# Altium PCB PCB-MB202-00.PcbDoc (part 4 of 7)
Units mm, origin at the board's own origin, x right, y up, seen from the top; angles counter-clockwise.
Board outline 300.6 x 146 mm, 2 copper layers (Top Layer, Bottom Layer); 493 components, 371 nets, 1609 pads, 6249 vias.
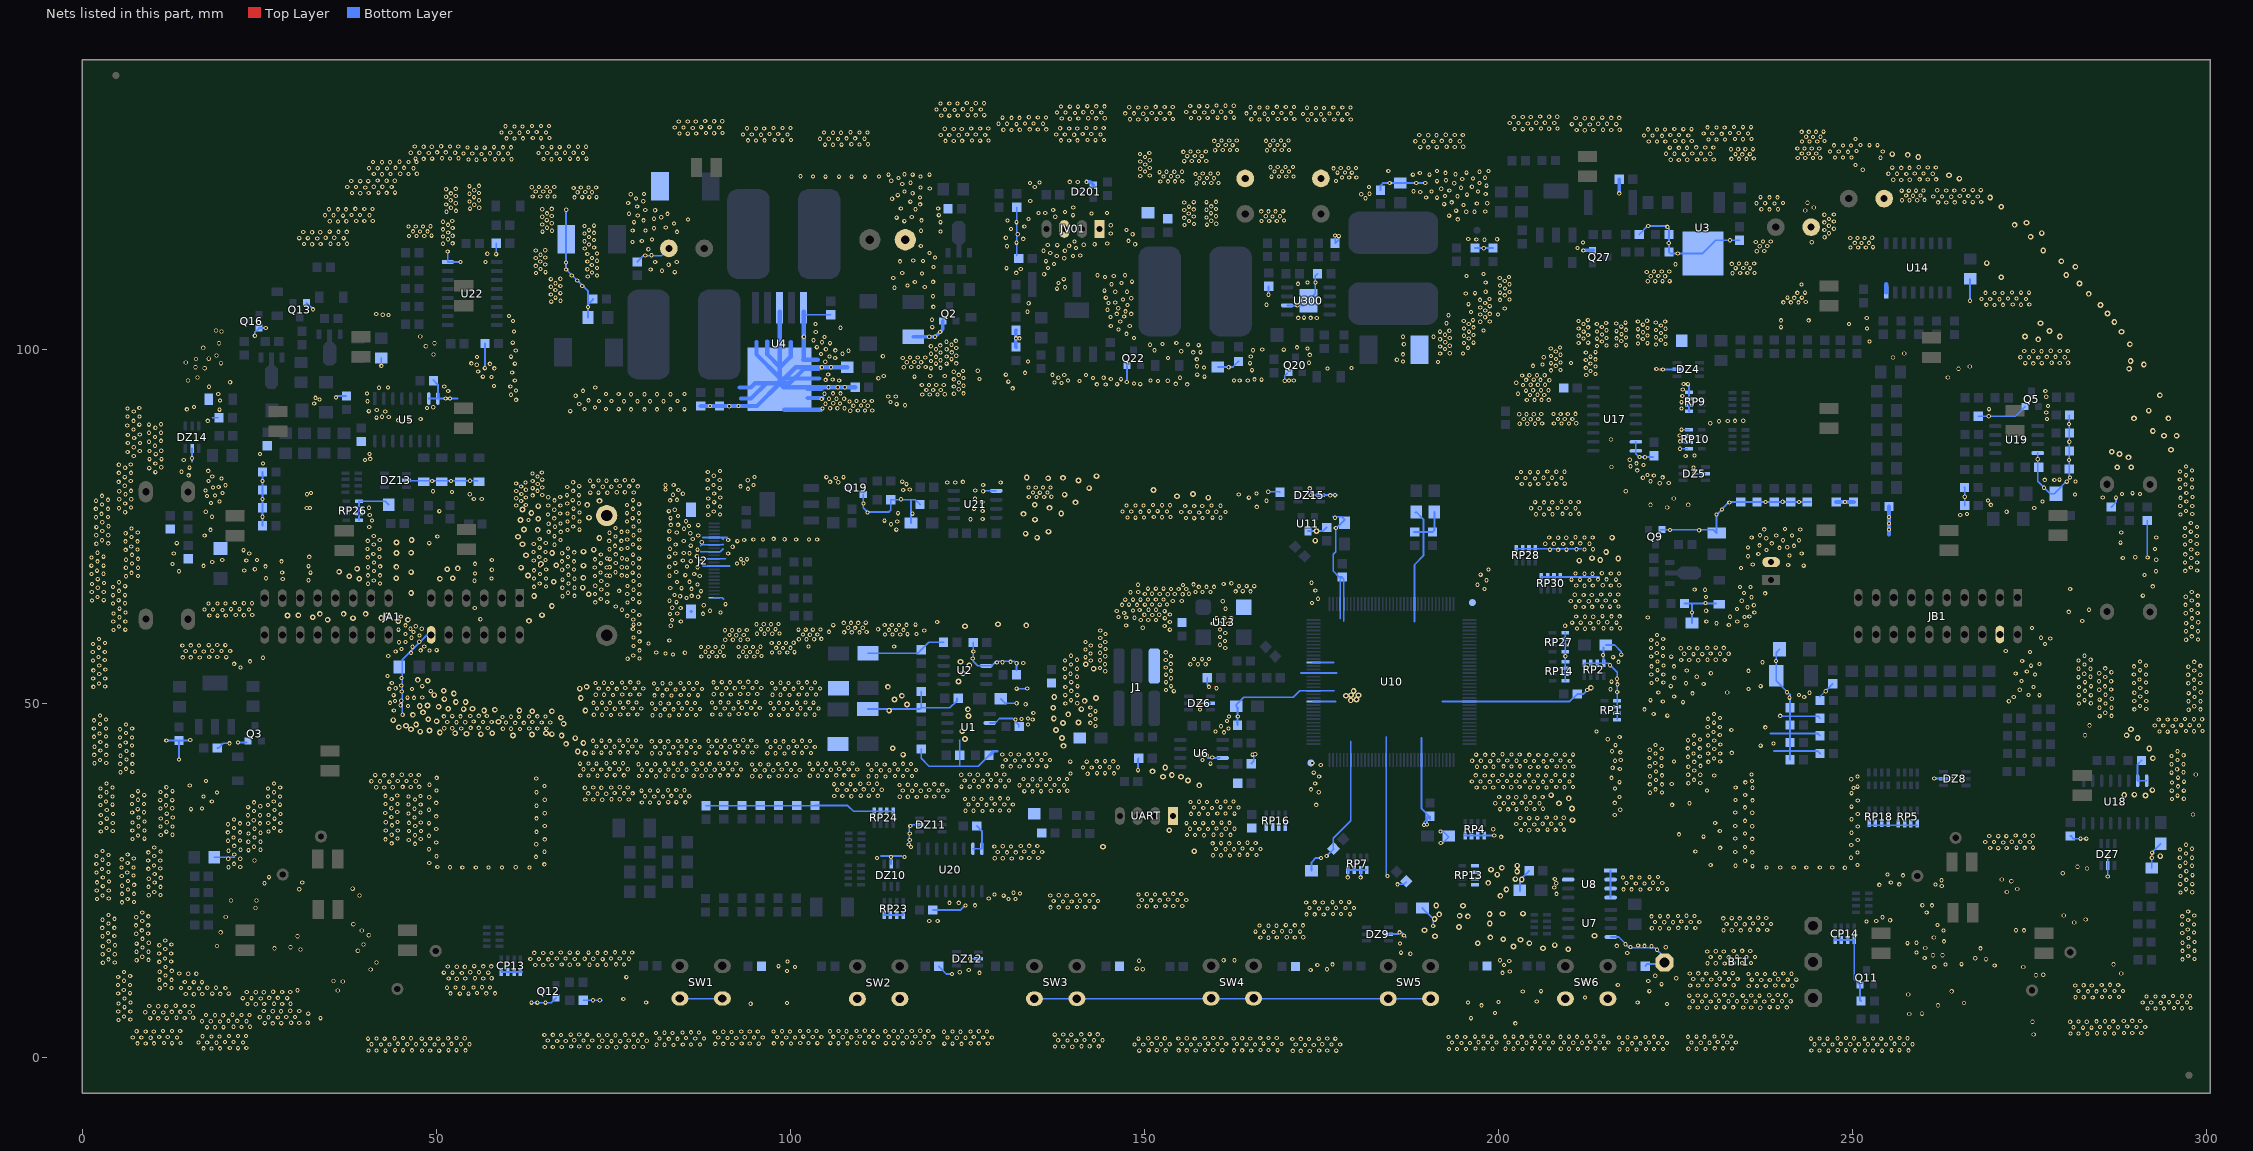
[diagram p4: the nets of this part, all layers, seen from the top]

## Via types
v1: diameter 0.6, hole 0.3, Top Layer to Bottom Layer, 5795 vias
v2: diameter 0.8, hole 0.4, Top Layer to Bottom Layer, 342 vias
v3: diameter 0.6, hole 0.4, Top Layer to Bottom Layer, 92 vias
v4: diameter 0.6, hole 0.3, Top Layer to Bottom Layer, tented both sides, 20 vias

## Nets (pads, with @x,y where several pads share a name; then routed paths per layer and width w, separated by ;. In a path a pad name is that pad's centre, name@x,y a point inside that pad or via, vN(x,y) a via of type N, cw(c..) or ccw(c..) an arc to the next point about the centre after c; other vN are vias at no path point) (continued)
GND: (continued)
  other v1: 173.393,0.965 170.98,0.991 172.123,0.991 42.863,1.016 50.432,1.016 149.314,1.016 177.127,1.016 246.647,1.016 254.216,1.016 40.45,1.041 41.593,1.041 48.019,1.041 49.162,1.041 157.29,1.041 165.113,1.041 174.714,1.041 175.857,1.041 244.234,1.041 245.377,1.041 251.803,1.041 252.946,1.041 46.597,1.067 54.166,1.067 153.048,1.067 154.877,1.067 156.02,1.067 162.7,1.067 163.843,1.067 250.381,1.067 257.95,1.067 44.184,1.092 45.327,1.092 51.753,1.092 52.896,1.092 150.635,1.092 151.778,1.092 161.024,1.092 168.847,1.092 247.968,1.092 249.111,1.092 255.537,1.092 256.68,1.092 158.611,1.118 159.754,1.118 166.434,1.118 167.577,1.118 219.545,1.194 217.132,1.219 218.275,1.219 195.466,1.245 223.279,1.245 193.053,1.27 194.196,1.27 203.442,1.27 211.265,1.27 220.866,1.27 222.009,1.27 229.273,1.27 199.2,1.295 201.029,1.295 202.172,1.295 208.852,1.295 209.995,1.295 226.86,1.295 228.003,1.295 18.276,1.321 196.787,1.321 197.93,1.321 207.175,1.321 214.999,1.321 233.007,1.321 17.133,1.346 19.469,1.346 204.762,1.346 205.905,1.346 212.586,1.346 213.729,1.346 230.594,1.346 231.737,1.346 22.009,1.372 20.866,1.397 23.203,1.397 75.451,1.499 67.755,1.524 73.038,1.524 74.181,1.524 65.342,1.549 66.485,1.549 79.185,1.549 71.489,1.575 76.772,1.575 77.915,1.575 139.84,1.575 69.076,1.6 70.219,1.6 137.427,1.6 138.57,1.6 143.574,1.626 141.161,1.651 142.304,1.651 83.528,1.829 172.733,1.829 173.952,1.829 81.115,1.854 82.258,1.854 42.202,1.88 43.422,1.88 49.772,1.88 50.991,1.88 87.262,1.88 148.654,1.88 149.873,1.88 171.412,1.88 176.467,1.88 177.686,1.88 245.987,1.88 247.206,1.88 253.556,1.88 254.775,1.88 84.849,1.905 85.992,1.905 156.629,1.905 157.849,1.905 164.453,1.905 165.672,1.905 40.882,1.93 45.936,1.93 47.155,1.93 48.451,1.93 53.505,1.93 54.725,1.93 152.388,1.93 153.607,1.93 175.146,1.93 244.666,1.93 249.72,1.93 250.94,1.93 252.235,1.93 257.29,1.93 258.509,1.93 91.834,1.956 155.309,1.956 160.363,1.956 161.582,1.956 163.132,1.956 168.186,1.956 169.406,1.956 44.615,1.981 52.185,1.981 89.421,1.981 90.564,1.981 124.194,1.981 151.067,1.981 248.4,1.981 255.969,1.981 95.568,2.007 121.781,2.007 122.924,2.007 159.042,2.007 166.866,2.007 8.979,2.032 93.155,2.032 94.298,2.032 100.114,2.032 127.927,2.032 7.836,2.057 10.173,2.057 97.701,2.057 98.844,2.057 108.09,2.057 115.913,2.057 125.514,2.057 126.657,2.057 218.885,2.057 220.104,2.057 12.713,2.083 103.848,2.083 105.677,2.083 106.82,2.083 113.5,2.083 114.643,2.083 11.57,2.108 13.907,2.108 101.435,2.108 102.578,2.108 111.824,2.108 119.647,2.108 194.806,2.108 196.025,2.108 217.564,2.108 222.619,2.108 223.838,2.108 18.987,2.134 109.411,2.134 110.554,2.134 117.234,2.134 118.377,2.134 202.781,2.134 204,2.134 210.604,2.134 211.824,2.134 228.613,2.134 229.832,2.134 193.485,2.159 198.539,2.159 199.759,2.159 221.298,2.159 16.447,2.184 17.666,2.184 22.721,2.184 201.46,2.184 206.515,2.184 207.734,2.184 209.284,2.184 214.338,2.184 215.557,2.184 227.292,2.184 232.347,2.184 233.566,2.184 197.219,2.21 20.181,2.235 21.4,2.235 205.194,2.235 213.017,2.235 231.026,2.235 74.791,2.362 76.01,2.362 67.094,2.388 68.314,2.388 73.47,2.413 78.524,2.413 79.744,2.413 65.774,2.438 70.828,2.438 72.047,2.438 139.18,2.438 140.399,2.438 77.204,2.464 69.507,2.489 137.859,2.489 142.913,2.489 144.133,2.489 141.593,2.54 170.93,2.667 173.266,2.667 82.868,2.692 84.087,2.692 172.123,2.692 40.399,2.718 42.736,2.718 47.968,2.718 50.305,2.718 149.187,2.718 174.663,2.718 177,2.718 244.183,2.718 246.52,2.718 251.752,2.718 254.089,2.718 41.593,2.743 49.162,2.743 81.547,2.743 86.602,2.743 87.821,2.743 154.826,2.743 157.163,2.743 162.649,2.743 164.986,2.743 175.857,2.743 245.377,2.743 252.946,2.743 44.133,2.769 46.47,2.769 51.702,2.769 54.039,2.769 150.584,2.769 152.921,2.769 156.02,2.769 163.843,2.769 247.917,2.769 250.254,2.769 255.486,2.769 257.823,2.769 45.327,2.794 52.896,2.794 85.281,2.794 151.778,2.794 158.56,2.794 160.897,2.794 166.383,2.794 168.72,2.794 249.111,2.794 256.68,2.794 91.174,2.819 92.393,2.819 159.754,2.819 167.577,2.819 9.69,2.845 123.533,2.845 124.752,2.845 89.853,2.87 94.907,2.87 96.127,2.87 7.15,2.896 8.37,2.896 13.424,2.896 99.454,2.896 100.673,2.896 122.212,2.896 127.267,2.896 128.486,2.896 217.081,2.896 219.418,2.896 93.587,2.921 107.43,2.921 108.649,2.921 115.253,2.921 116.472,2.921 218.275,2.921 10.884,2.946 12.103,2.946 98.133,2.946 103.188,2.946 104.407,2.946 125.946,2.946 193.002,2.946 195.339,2.946 220.815,2.946 223.152,2.946 106.109,2.972 111.163,2.972 112.383,2.972 113.932,2.972 118.987,2.972 120.206,2.972 194.196,2.972 200.978,2.972 203.315,2.972 208.801,2.972 211.138,2.972 222.009,2.972 226.81,2.972 229.146,2.972 101.867,2.997 196.736,2.997 199.073,2.997 202.172,2.997 209.995,2.997 228.003,2.997 18.276,3.023 19.419,3.023 109.843,3.023 117.666,3.023 197.93,3.023 204.712,3.023 207.048,3.023 212.535,3.023 214.872,3.023 230.543,3.023 232.88,3.023 17.006,3.048 205.905,3.048 213.729,3.048 231.737,3.048 22.009,3.073 23.152,3.073 20.739,3.099 72.987,3.2 75.324,3.2 65.291,3.226 67.628,3.226 74.181,3.226 66.485,3.251 76.721,3.251 79.058,3.251 69.025,3.277 71.362,3.277 77.915,3.277 137.376,3.277 139.713,3.277 70.219,3.302 138.57,3.302 141.11,3.327 143.447,3.327 142.304,3.353 283.248,3.404 280.835,3.429 281.978,3.429 286.982,3.454 284.569,3.48 285.712,3.48 290.818,3.505 81.064,3.531 83.401,3.531 288.405,3.531 289.548,3.531 82.258,3.556 84.798,3.581 87.135,3.581 85.992,3.607 89.37,3.658 91.707,3.658 90.564,3.683 121.73,3.683 124.067,3.683 93.104,3.708 95.441,3.708 122.924,3.708 8.979,3.734 10.122,3.734 94.298,3.734 97.651,3.734 99.987,3.734 125.464,3.734 127.8,3.734 7.709,3.759 98.844,3.759 105.626,3.759 107.963,3.759 113.449,3.759 115.786,3.759 126.657,3.759 12.713,3.785 13.856,3.785 101.384,3.785 103.721,3.785 106.82,3.785 114.643,3.785 11.443,3.81 102.578,3.81 109.36,3.81 111.697,3.81 117.183,3.81 119.52,3.81 110.554,3.835 118.377,3.835 282.588,4.267 283.807,4.267 18.784,4.318 281.267,4.318 286.322,4.318 287.541,4.318 17.641,4.343 19.977,4.343 22.517,4.369 285.001,4.369 290.157,4.369 291.376,4.369 21.374,4.394 23.711,4.394 288.836,4.42 26.937,4.877 202.426,4.877 25.794,4.902 28.131,4.902 30.671,4.928 29.528,4.953 31.865,4.953 280.785,5.105 283.121,5.105 19.495,5.131 281.978,5.131 284.518,5.156 286.855,5.156 16.955,5.182 18.174,5.182 23.229,5.182 285.712,5.182 288.354,5.207 290.691,5.207 20.689,5.232 21.908,5.232 289.548,5.232 5.144,5.359 6.82,5.41 10.757,5.588 9.614,5.613 11.951,5.613 33.668,5.613 196.177,5.613 14.491,5.639 13.348,5.664 15.685,5.664 27.648,5.69 25.108,5.74 26.327,5.74 28.842,5.791 30.061,5.791 5.931,5.842 18.784,6.02 19.927,6.02 17.514,6.045 22.517,6.071 23.66,6.071 21.247,6.096 31.941,6.248 199.555,6.35 11.468,6.401 8.928,6.452 10.148,6.452 15.202,6.452 12.662,6.502 13.881,6.502 5.118,6.553 6.82,6.553 26.937,6.579 28.08,6.579 25.667,6.604 30.671,6.629 29.401,6.655 292.85,6.96 291.707,6.985 294.043,6.985 296.583,7.01 295.44,7.036 297.777,7.036 229.451,7.087 237.02,7.087 227.038,7.112 228.181,7.112 234.607,7.112 235.75,7.112 233.185,7.137 240.754,7.137 5.982,7.163 230.772,7.163 231.915,7.163 238.341,7.163 239.484,7.163 10.757,7.29 11.9,7.29 9.487,7.315 14.491,7.341 15.634,7.341 13.221,7.366 197.65,7.417 24.524,7.569 23.381,7.595 25.718,7.595 28.258,7.62 223.838,7.62 27.115,7.645 29.452,7.645 94.425,7.645 5.144,7.696 99.556,7.747 293.561,7.772 63.462,7.798 64.3,7.798 65.443,7.798 6.846,7.823 79.667,7.823 195.745,7.823 219.698,7.823 291.021,7.823 292.24,7.823 297.295,7.823 294.755,7.874 295.974,7.874 200.038,7.899 228.791,7.95 230.01,7.95 236.36,7.95 237.579,7.95 205.448,7.976 227.47,8.001 232.525,8.001 233.744,8.001 235.039,8.001 240.094,8.001 241.313,8.001 231.204,8.052 238.773,8.052 72.174,8.136 73.114,8.136 76.442,8.331 5.982,8.382 25.235,8.382 22.695,8.433 23.914,8.433 28.969,8.433 26.429,8.484 27.648,8.484 212.281,8.534 283.96,8.534 281.547,8.56 282.69,8.56 287.693,8.585 285.28,8.611 286.423,8.611 292.85,8.661 293.993,8.661 291.58,8.687 296.583,8.712 297.726,8.712 295.313,8.738 226.987,8.788 229.324,8.788 234.557,8.788 236.893,8.788 228.181,8.814 235.75,8.814 230.721,8.839 233.058,8.839 238.29,8.839 240.627,8.839 231.915,8.865 239.484,8.865 15.786,8.992 14.643,9.017 16.98,9.017 19.52,9.042 18.377,9.068 20.714,9.068 53.353,9.068 54.572,9.068 5.093,9.093 52.032,9.119 57.087,9.119 58.306,9.119 6.769,9.144 55.766,9.169 24.524,9.271 25.667,9.271 23.254,9.296 28.258,9.322 29.401,9.322 26.988,9.347 203.467,9.373 283.299,9.398 284.518,9.398 206.032,9.423 221.349,9.423 281.978,9.449 287.033,9.449 288.252,9.449 285.712,9.5 30.442,9.55 5.88,9.576 16.498,9.804 10.96,9.83 13.958,9.855 15.177,9.855 20.231,9.855 12.637,9.881 17.691,9.906 18.911,9.906 51.55,9.906 53.886,9.906 52.743,9.931 55.283,9.957 57.62,9.957 56.477,9.982 237.808,10.135 235.395,10.16 236.538,10.16 241.542,10.185 229.527,10.211 239.129,10.211 240.272,10.211 227.114,10.236 228.257,10.236 281.496,10.236 283.833,10.236 233.261,10.262 282.69,10.262 5.068,10.287 6.769,10.287 216.904,10.287 230.848,10.287 231.991,10.287 285.23,10.287 287.566,10.287 11.748,10.312 286.423,10.312 223.076,10.414 15.786,10.693 16.929,10.693 14.516,10.719 212.281,10.719 221.196,10.871 5.931,10.897 237.147,10.998 238.367,10.998 10.935,11.024 12.637,11.024 235.827,11.049 240.881,11.049 242.1,11.049 228.867,11.074 230.086,11.074 239.56,11.1 227.546,11.125 232.601,11.125 233.82,11.125 52.921,11.176 231.28,11.176 51.778,11.201 54.115,11.201 56.655,11.227 55.512,11.252 57.849,11.252 225.159,11.252 76.873,11.405 5.093,11.43 6.795,11.557 222.187,11.608 11.799,11.633 235.344,11.836 237.681,11.836 236.538,11.862 14.999,11.887 16.142,11.887 239.078,11.887 241.415,11.887 13.729,11.913 227.064,11.913 229.4,11.913 240.272,11.913 228.257,11.938 230.797,11.963 233.134,11.963 53.632,11.989 231.991,11.989 126.759,12.014 200.597,12.014 51.092,12.04 52.312,12.04 57.366,12.04 54.826,12.09 56.045,12.09 123.965,12.09 5.931,12.116 10.96,12.167 201.638,12.217 99.556,12.268 12.662,12.294 125.235,12.421 173.52,12.421 149.797,12.522 175.832,12.522 148.959,12.598 11.799,12.852 100.673,12.852 261.582,12.852 52.921,12.878 54.064,12.878 51.651,12.903 56.655,12.929 57.798,12.929 55.385,12.954 98.362,12.954 270.117,13.056 65.139,13.106 174.46,13.106 200.825,13.106 63.996,13.132 66.332,13.132 72.809,13.132 68.872,13.157 71.666,13.157 74.003,13.157 67.729,13.183 70.066,13.183 76.543,13.183 263.182,13.183 75.4,13.208 176.594,13.208 265.443,13.233 231.991,13.335 229.578,13.36 230.721,13.36 235.725,13.386 233.312,13.411 234.455,13.411 2.934,13.437 4.61,13.487 10.91,13.564 12.586,13.614 99.632,13.614 201.562,13.665 149.289,13.716 7.709,13.792 161.227,13.792 162.776,13.792 200.241,13.792 9.386,13.843 3.721,13.919 65.85,13.919 296.66,13.919 73.521,13.945 63.31,13.97 64.529,13.97 69.584,13.97 298.336,13.97 70.981,13.995 72.2,13.995 77.254,13.995 125.438,13.998 67.044,14.021 68.263,14.021 11.697,14.046 74.714,14.046 75.934,14.046 260.236,14.122 231.331,14.199 232.55,14.199 230.01,14.249 235.065,14.249 236.284,14.249 8.497,14.275 233.744,14.3 297.447,14.402 2.909,14.63 4.61,14.63 187.592,14.707 10.884,14.757 12.586,14.757 65.139,14.808 66.282,14.808 218.224,14.808 63.869,14.834 72.809,14.834 73.952,14.834 68.872,14.859 70.015,14.859 71.539,14.859 186.271,14.859 67.602,14.884 76.543,14.884 77.686,14.884 259.093,14.884 75.273,14.91 7.684,14.986 9.386,14.986 229.527,15.037 231.864,15.037 230.721,15.062 233.261,15.088 235.598,15.088 234.455,15.113 296.634,15.113 298.336,15.113 3.772,15.24 222.418,15.263 11.748,15.367 268.135,15.469 8.547,15.596 223.66,15.621 218.707,15.646 297.498,15.723 2.934,15.773 221.653,15.773 216.751,15.824 220.663,15.824 219.774,15.875 4.636,15.9 10.91,15.9 12.611,16.027 217.996,16.053 7.709,16.129 186.144,16.154 257.823,16.205 9.411,16.256 259.093,16.256 296.66,16.256 298.361,16.383 3.772,16.459 262.954,16.459 11.748,16.586 8.547,16.815 297.498,16.942 167.551,16.967 166.408,16.993 168.745,16.993 171.285,17.018 170.142,17.043 172.479,17.043 2.883,17.17 4.56,17.221 186.678,17.297 7.658,17.526 9.335,17.577 3.671,17.653 296.609,17.653 298.285,17.704 168.263,17.78 165.723,17.831 166.942,17.831 171.996,17.831 169.456,17.882 170.676,17.882 262.903,17.983 8.446,18.009 234.252,18.009 274.257,18.009 231.839,18.034 232.982,18.034 273.139,18.034 237.986,18.059 235.573,18.085 236.716,18.085 297.396,18.136 224.117,18.288 221.704,18.313 222.847,18.313 227.851,18.339 2.858,18.364 4.56,18.364 225.438,18.364 226.581,18.364 167.551,18.669 168.694,18.669 166.281,18.694 7.633,18.72 9.335,18.72 171.285,18.72 172.428,18.72 170.015,18.745 262.039,18.771 296.583,18.847 298.285,18.847 233.591,18.872 234.811,18.872 232.271,18.923 237.325,18.923 238.544,18.923 3.721,18.974 236.004,18.974 223.457,19.152 224.676,19.152 222.136,19.202 227.191,19.202 228.41,19.202 225.87,19.253 252.006,19.279 8.497,19.329 119.647,19.329 120.841,19.329 253.403,19.329 255.359,19.431 297.447,19.456 2.883,19.507 4.585,19.634 231.788,19.71 234.125,19.71 232.982,19.736 235.522,19.761 237.859,19.761 236.716,19.787 7.658,19.863 254.292,19.863 9.36,19.99 221.653,19.99 223.99,19.99 296.609,19.99 222.847,20.015 225.387,20.041 227.724,20.041 226.581,20.066 298.311,20.117 3.721,20.193 175.349,20.244 172.936,20.269 174.079,20.269 179.083,20.295 176.67,20.32 177.813,20.32 260.515,20.523 8.497,20.549 297.447,20.676 174.689,21.107 175.908,21.107 173.368,21.158 178.423,21.158 179.642,21.158 177.102,21.209 139.205,21.234 136.792,21.26 137.935,21.26 142.939,21.285 140.526,21.311 141.669,21.311 151.651,21.387 149.238,21.412 150.381,21.412 155.385,21.438 152.972,21.463 154.115,21.463 124.778,21.514 126.099,21.539 261.277,21.539 259.906,21.565 122.517,21.895 123.813,21.895 172.885,21.946 175.222,21.946 5.652,21.971 174.079,21.971 176.619,21.996 178.956,21.996 7.328,22.022 177.813,22.022 138.545,22.098 139.764,22.098 137.224,22.149 142.278,22.149 143.498,22.149 140.958,22.2 150.991,22.25 152.21,22.25 149.67,22.301 154.724,22.301 155.944,22.301 153.404,22.352 130.848,22.428 131.839,22.428 2.096,22.454 6.439,22.454 3.772,22.504 128.054,22.504 130.163,22.911 2.883,22.936 136.741,22.936 139.078,22.936 9.411,22.962 137.935,22.962 140.475,22.987 142.812,22.987 11.087,23.012 141.669,23.012 128.867,23.089 149.187,23.089 151.524,23.089 150.381,23.114 152.921,23.139 155.258,23.139 5.626,23.165 7.328,23.165 154.115,23.165 208.255,23.165 132.474,23.216 131.56,23.317 296.355,23.343 298.031,23.393 10.198,23.444 2.07,23.647 3.772,23.647 6.49,23.774 220.104,23.774 217.691,23.8 218.834,23.8 223.838,23.825 297.142,23.825 221.425,23.851 222.568,23.851 207.924,24.079 9.386,24.155 11.087,24.155 2.934,24.257 262.649,24.282 5.652,24.308 7.354,24.435 253.835,24.435 261.76,24.486 185.789,24.511 256.655,24.511 296.329,24.536 298.031,24.536 219.444,24.638 220.663,24.638 25.781,24.663 208.204,24.663 218.123,24.689 223.177,24.689 221.857,24.74 10.249,24.765 31.09,24.765 255.461,24.765 2.096,24.79 3.798,24.917 6.49,24.994 262.624,25.095 297.193,25.146 208.001,25.248 9.411,25.298 11.113,25.425 2.934,25.476 217.64,25.476 219.977,25.476 218.834,25.502 26.416,25.527 221.374,25.527 222.568,25.552 184.366,25.679 296.355,25.679 5.601,25.705 7.277,25.756 257.188,25.781 298.057,25.806 255.004,25.883 10.249,25.984 2.045,26.187 6.388,26.187 3.721,26.238 297.193,26.365 2.832,26.67 9.36,26.695 11.037,26.746 248.958,26.848 237.884,26.873 247.18,26.873 5.576,26.899 7.277,26.899 53.709,26.899 55.614,26.899 57.392,26.899 59.297,26.899 63.208,26.899 239.84,26.899 241.745,26.899 243.523,26.899 245.428,26.899 20.663,26.924 51.956,26.924 61.252,26.924 50.178,26.949 22.34,26.975 235.903,27.076 296.304,27.076 233.515,27.127 297.98,27.127 10.148,27.178 250.736,27.229 230.01,27.254 65.291,27.33 2.02,27.381 3.721,27.381 21.451,27.407 6.439,27.508 49.035,27.508 297.091,27.559 234.887,27.838 9.335,27.889 11.037,27.889 2.883,27.991 5.601,28.042 20.638,28.118 22.34,28.118 7.303,28.169 131.306,28.169 128.893,28.194 130.036,28.194 112.281,28.219 135.039,28.219 132.626,28.245 133.769,28.245 249.847,28.27 292.316,28.27 296.279,28.27 297.98,28.27 114.259,28.372 116.167,28.372 64.123,28.397 50.051,28.473 10.198,28.499 2.045,28.524 162.141,28.6 159.728,28.626 160.871,28.626 3.747,28.651 165.875,28.651 163.462,28.677 164.605,28.677 6.439,28.727 21.501,28.727 297.142,28.88 292.367,28.981 250.762,29.007 9.36,29.032 130.645,29.032 131.864,29.032 235.877,29.032 129.324,29.083 134.379,29.083 135.598,29.083 233.49,29.083 65.316,29.108 133.058,29.134 227.851,29.134 11.062,29.159 2.883,29.21 20.663,29.261 23.508,29.337 22.365,29.388 25.184,29.388 296.304,29.413 49.01,29.464 161.481,29.464 162.7,29.464 160.16,29.515 165.215,29.515 166.434,29.515 298.006,29.54 163.894,29.566 270.625,29.616 269.482,29.642 271.818,29.642 231.356,29.667 274.358,29.667 273.215,29.693 275.552,29.693 10.198,29.718 117.056,29.794 234.861,29.794 24.295,29.82 128.842,29.87 131.179,29.87 130.036,29.896 132.576,29.921 134.912,29.921 21.501,29.947 133.769,29.947 249.873,30.048 297.142,30.099 116.751,30.124 64.148,30.175 47.003,30.226 43.726,30.302 159.677,30.302 162.014,30.302 160.871,30.328 163.411,30.353 165.748,30.353 164.605,30.378 50.026,30.429 271.336,30.429 268.796,30.48 270.015,30.48 275.07,30.48 23.483,30.531 25.184,30.531 272.53,30.531 273.749,30.531 20.612,30.658 22.289,30.709 116.904,30.759 250.787,30.759 46.139,30.785 42.863,30.861 65.342,30.861 7.125,30.912 47.841,30.912 235.877,30.937 8.801,30.963 282.232,30.963 44.565,30.988 233.49,30.988 21.4,31.14 24.346,31.14 200.419,31.217 228.994,31.242 270.625,31.318 271.768,31.318 269.355,31.344 49.01,31.369 274.358,31.369 275.501,31.369 7.912,31.394 273.088,31.394 47.003,31.445 158.458,31.445 11.113,31.471 156.045,31.471 157.188,31.471 162.192,31.496 12.789,31.521 43.726,31.521 159.779,31.521 160.922,31.521 225.54,31.572 23.508,31.674 116.904,31.674 234.861,31.699 25.21,31.801 249.898,31.801 20.587,31.852 22.289,31.852 64.173,31.928 11.9,31.953 2.655,31.979 26.327,31.979 4.331,32.029 28.004,32.029 46.165,32.055 47.867,32.055 231.305,32.055 7.1,32.106 8.801,32.106 42.888,32.131 44.59,32.131 204.381,32.156 203.238,32.182 205.575,32.182 208.115,32.207 206.972,32.233 209.309,32.233 199.301,32.283 157.798,32.309 159.017,32.309 50.026,32.334 24.346,32.36 156.477,32.36 161.532,32.36 162.751,32.36 160.211,32.41 3.442,32.461 21.451,32.461 27.115,32.461 11.087,32.664 12.789,32.664 250.787,32.664 7.963,32.715 235.877,32.715 116.98,32.741 47.054,32.766 65.342,32.766 233.49,32.766 43.777,32.842 205.093,32.969 20.612,32.995 202.553,33.02 203.772,33.02 208.826,33.02 23.457,33.071 206.286,33.071 207.506,33.071 22.314,33.122 25.134,33.122 49.01,33.147 155.994,33.147 158.331,33.147 2.629,33.172 4.331,33.172 26.302,33.172 28.004,33.172 157.188,33.172 230.645,33.172 46.165,33.198 159.728,33.198 162.065,33.198 160.922,33.223 7.125,33.249 47.841,33.249 11.951,33.274 42.888,33.274 44.565,33.325 8.827,33.376 234.861,33.477 24.245,33.553 21.451,33.68 249.898,33.706 3.493,33.782 27.166,33.782 11.113,33.807 64.173,33.833 204.381,33.858 205.524,33.858 203.111,33.884 208.115,33.909 209.258,33.909 7.963,33.934 12.815,33.934 206.845,33.934 46.952,33.96 43.676,34.036 50.026,34.112 23.432,34.265 25.134,34.265 2.655,34.315 26.327,34.315 216.472,34.315 4.356,34.442 28.029,34.442 159.017,34.442 250.787,34.442 156.604,34.468 157.747,34.468 11.951,34.493 162.751,34.493 46.089,34.519 160.338,34.519 161.481,34.519 65.342,34.544 42.812,34.595 235.877,34.62 7.074,34.646 47.79,34.646 233.49,34.671 8.751,34.696 44.514,34.722 24.295,34.874 127.165,34.874 124.752,34.9 125.895,34.9 130.899,34.925 128.486,34.95 129.629,34.95 3.493,35.001 27.166,35.001 49.01,35.052 217.234,35.052 201.41,35.103 7.862,35.128 15.38,35.128 200.267,35.128 202.603,35.128 205.143,35.154 46.952,35.179 204,35.179 206.337,35.179 11.062,35.204 16.929,35.204 12.738,35.255 43.676,35.255 158.357,35.306 159.576,35.306 157.036,35.357 162.09,35.357 163.31,35.357 234.861,35.382 23.457,35.408 160.77,35.408 249.898,35.484 25.159,35.535 64.173,35.611 11.849,35.687 2.604,35.712 26.277,35.712 126.505,35.738 127.724,35.738 174.308,35.738 224.574,35.738 4.28,35.763 27.953,35.763 46.114,35.789 47.816,35.789 125.184,35.789 130.239,35.789 131.458,35.789 7.049,35.839 8.751,35.839 128.918,35.839 42.837,35.865 44.539,35.865 202.121,35.916 199.581,35.966 200.8,35.966 205.855,35.966 227.038,35.966 50.026,36.017 203.315,36.017 204.534,36.017 216.472,36.017 81.471,36.043 79.058,36.068 80.201,36.068 24.295,36.093 85.205,36.093 82.792,36.119 83.935,36.119 156.553,36.144 158.89,36.144 157.747,36.17 3.391,36.195 27.064,36.195 160.287,36.195 162.624,36.195 18.326,36.22 161.481,36.22 250.787,36.347 235.903,36.373 11.037,36.398 12.738,36.398 233.515,36.424 7.912,36.449 65.342,36.449 73.47,36.449 71.057,36.474 72.2,36.474 47.003,36.5 77.204,36.5 74.791,36.525 75.934,36.525 295.161,36.551 43.726,36.576 124.702,36.576 127.038,36.576 125.895,36.601 296.837,36.601 128.435,36.627 130.772,36.627 129.629,36.652 49.035,36.805 201.41,36.805 202.553,36.805 200.14,36.83 117.894,36.855 205.143,36.855 206.286,36.855 217.132,36.855 115.481,36.881 116.624,36.881 203.873,36.881 2.578,36.906 4.28,36.906 26.251,36.906 27.953,36.906 80.81,36.906 82.03,36.906 121.628,36.906 17.158,36.932 46.114,36.932 119.215,36.932 120.358,36.932 79.49,36.957 84.544,36.957 85.763,36.957 108.649,36.957 7.074,36.982 47.79,36.982 106.236,36.982 107.379,36.982 11.9,37.008 42.837,37.008 83.223,37.008 112.383,37.008 109.97,37.033 111.113,37.033 295.948,37.033 44.514,37.059 8.776,37.109 234.887,37.135 72.809,37.313 74.029,37.313 71.489,37.363 76.543,37.363 77.762,37.363 249.898,37.389 75.222,37.414 221.45,37.44 19.063,37.49 223.127,37.49 3.442,37.516 27.115,37.516 64.173,37.516 174.663,37.516 11.062,37.541 134.227,37.643 7.912,37.668 12.764,37.668 133.084,37.668 135.42,37.668 137.96,37.694 117.234,37.719 118.453,37.719 136.817,37.719 139.154,37.719 79.007,37.744 81.344,37.744 295.136,37.744 296.837,37.744 50.051,37.77 80.201,37.77 115.913,37.77 120.968,37.77 122.187,37.77 229.502,37.77 82.741,37.795 85.078,37.795 83.935,37.821 107.988,37.821 109.208,37.821 119.647,37.821 106.668,37.871 111.722,37.871 112.941,37.871 110.401,37.922 173.571,37.922 222.238,37.922 2.604,38.049 26.277,38.049 216.497,38.049 250.178,38.1 71.006,38.151 73.343,38.151 235.928,38.151 4.306,38.176 27.978,38.176 72.2,38.176 198.108,38.176 205.626,38.176 42.685,38.202 74.74,38.202 77.077,38.202 196.965,38.202 199.301,38.202 204.483,38.202 206.82,38.202 233.541,38.202 11.9,38.227 41.542,38.227 43.879,38.227 75.934,38.227 201.841,38.227 209.36,38.227 46.419,38.252 200.698,38.252 203.035,38.252 208.217,38.252 210.554,38.252 45.276,38.278 47.613,38.278 126.632,38.278 124.219,38.303 125.362,38.303 250.762,38.303 130.366,38.329 127.953,38.354 129.096,38.354 295.999,38.354 65.316,38.405 134.938,38.456 15.202,38.481 132.398,38.506 133.617,38.506 138.672,38.506 115.431,38.557 117.767,38.557 136.132,38.557 137.351,38.557 49.06,38.583 116.624,38.583 119.164,38.608 121.501,38.608 120.358,38.633 221.425,38.633 223.127,38.633 106.185,38.659 108.522,38.659 107.379,38.684 224.524,38.684 109.919,38.71 112.256,38.71 3.442,38.735 27.115,38.735 111.113,38.735 174.155,38.735 226.86,38.786 228.537,38.837 295.161,38.887 234.912,38.913 217.132,38.938 198.819,38.989 206.337,38.989 43.396,39.014 296.863,39.014 196.279,39.04 197.498,39.04 202.553,39.04 203.797,39.04 205.016,39.04 210.071,39.04 40.856,39.065 42.075,39.065 47.13,39.065 17.514,39.091 200.013,39.091 201.232,39.091 207.531,39.091 208.75,39.091 235.852,39.091 44.59,39.116 45.809,39.116 125.972,39.141 127.191,39.141 124.651,39.192 129.705,39.192 130.925,39.192 128.385,39.243 222.288,39.243 227.648,39.268 134.227,39.345 135.37,39.345 249.873,39.345 132.957,39.37 137.96,39.395 139.103,39.395 136.69,39.421 261.582,39.443 264.021,39.443 64.148,39.472 50.076,39.548 215.989,39.548 295.999,39.573 174.714,39.726 250.762,39.726 97.066,39.751 113.475,39.751 81.064,39.776 94.653,39.776 95.796,39.776 111.062,39.776 112.205,39.776 221.45,39.776 78.651,39.802 79.794,39.802 100.8,39.802 117.209,39.802 84.798,39.827 88.786,39.827 98.387,39.827 99.53,39.827 105.194,39.827 114.796,39.827 115.939,39.827 72.784,39.853 82.385,39.853 83.528,39.853 86.373,39.853 87.516,39.853 102.781,39.853 103.924,39.853 70.371,39.878 71.514,39.878 92.52,39.878 108.928,39.878 198.108,39.878 199.251,39.878 205.626,39.878 206.769,39.878 230.518,39.878 42.685,39.903 43.828,39.903 76.518,39.903 90.107,39.903 91.25,39.903 106.515,39.903 107.658,39.903 196.838,39.903 204.356,39.903 223.152,39.903 41.415,39.929 74.105,39.929 75.248,39.929 201.841,39.929 202.984,39.929 209.36,39.929 210.503,39.929 46.419,39.954 47.562,39.954 200.571,39.954 208.09,39.954 45.149,39.98 124.168,39.98 126.505,39.98 226.835,39.98 228.537,39.98 125.362,40.005 127.902,40.03 130.239,40.03 235.776,40.03 129.096,40.056 142.024,40.132 139.611,40.157 145.758,40.183 143.345,40.208 144.488,40.208 173.952,40.284 295.11,40.284 5.423,40.335 296.787,40.335 7.1,40.386 222.288,40.462 227.699,40.589 96.406,40.615 97.625,40.615 112.814,40.615 114.034,40.615 80.404,40.64 81.623,40.64 95.085,40.665 100.14,40.665 101.359,40.665 111.494,40.665 116.548,40.665 117.767,40.665 79.083,40.691 84.138,40.691 85.357,40.691 88.126,40.691 89.345,40.691 104.534,40.691 105.753,40.691 72.124,40.716 73.343,40.716 98.819,40.716 115.227,40.716 82.817,40.742 86.805,40.742 91.859,40.742 93.079,40.742 103.213,40.742 108.268,40.742 109.487,40.742 70.803,40.767 75.857,40.767 77.077,40.767 295.898,40.767 90.539,40.792 106.947,40.792 217.183,40.792 6.211,40.818 74.537,40.818 216.167,40.97 141.364,40.996 142.583,40.996 145.098,41.046 146.317,41.046 205.677,41.072 143.777,41.097 198.158,41.097 204.534,41.097 206.871,41.097 197.015,41.123 199.352,41.123 209.411,41.123 226.86,41.123 132.423,41.148 201.892,41.148 208.268,41.148 210.604,41.148 130.01,41.173 131.153,41.173 200.749,41.173 203.086,41.173 221.399,41.173 136.157,41.199 133.744,41.224 134.887,41.224 223.076,41.224 228.562,41.25 174.943,41.377 94.603,41.453 96.939,41.453 111.011,41.453 113.348,41.453 78.601,41.478 80.937,41.478 95.796,41.478 112.205,41.478 295.085,41.478 296.787,41.478 79.794,41.504 98.336,41.504 100.673,41.504 114.745,41.504 117.082,41.504 5.398,41.529 7.1,41.529 82.334,41.529 84.671,41.529 86.322,41.529 88.659,41.529 99.53,41.529 102.731,41.529 105.067,41.529 115.939,41.529 70.32,41.554 72.657,41.554 83.528,41.554 87.516,41.554 103.924,41.554 159.373,41.554 71.514,41.58 90.056,41.58 92.393,41.58 106.464,41.58 108.801,41.58 1.74,41.605 74.054,41.605 76.391,41.605 91.25,41.605 107.658,41.605 75.248,41.631 3.417,41.656 173.749,41.656 222.187,41.656 227.699,41.808 229.68,41.808 139.561,41.834 141.897,41.834 224.828,41.859 231.356,41.859 143.294,41.885 145.631,41.885 206.388,41.885 144.488,41.91 198.87,41.91 203.848,41.935 205.067,41.935 210.122,41.935 196.33,41.961 197.549,41.961 202.603,41.961 216.497,41.961 207.582,41.986 208.801,41.986 131.763,42.012 132.982,42.012 200.063,42.012 201.283,42.012 130.442,42.062 135.497,42.062 136.716,42.062 217.31,42.062 2.528,42.088 158.255,42.088 295.948,42.088 134.176,42.113 6.261,42.139 230.467,42.291 221.374,42.367 223.076,42.367 159.627,42.418 226.81,42.52 228.486,42.57 295.11,42.621 5.423,42.672 157.772,42.697 158.89,42.723 296.812,42.748 205.677,42.774 206.82,42.774 1.715,42.799 3.417,42.799 7.125,42.799 198.158,42.799 199.301,42.799 204.407,42.799 165.291,42.824 196.888,42.824 209.411,42.824 210.554,42.824 129.959,42.85 132.296,42.85 201.892,42.85 203.035,42.85 208.141,42.85 131.153,42.875 165.697,42.875 200.622,42.875 133.693,42.901 136.03,42.901 134.887,42.926 222.238,42.977 82.919,43.002 99.2,43.002 227.597,43.002 229.654,43.002 231.356,43.002 80.506,43.028 81.649,43.028 96.787,43.028 97.93,43.028 86.652,43.053 102.934,43.053 74.638,43.078 84.239,43.078 85.382,43.078 90.92,43.078 100.521,43.078 101.664,43.078 232.982,43.078 72.225,43.104 73.368,43.104 88.507,43.104 89.65,43.104 78.372,43.129 94.653,43.129 75.959,43.155 77.102,43.155 92.24,43.155 93.383,43.155 217.259,43.155 216.065,43.307 295.948,43.307 6.261,43.358 2.578,43.409 221.399,43.51 230.518,43.612 223.101,43.637 226.784,43.713 228.486,43.713 82.258,43.866 83.477,43.866 98.54,43.866 99.759,43.866 80.937,43.917 85.992,43.917 87.211,43.917 97.219,43.917 102.273,43.917 103.493,43.917 1.74,43.942 73.978,43.942 75.197,43.942 90.259,43.942 91.478,43.942 84.671,43.967 100.953,43.967 72.657,43.993 77.712,43.993 78.931,43.993 88.938,43.993 93.993,43.993 95.212,43.993 76.391,44.044 92.672,44.044 3.442,44.069 5.372,44.069 237.071,44.094 7.049,44.12 229.68,44.145 216.573,44.171 222.238,44.196 231.382,44.272 227.648,44.323 238.875,44.399 6.16,44.552 2.578,44.628 80.455,44.704 82.792,44.704 96.736,44.704 99.073,44.704 81.649,44.729 97.93,44.729 84.189,44.755 86.525,44.755 100.47,44.755 102.807,44.755 72.174,44.78 74.511,44.78 85.382,44.78 88.456,44.78 90.793,44.78 101.664,44.78 73.368,44.806 89.65,44.806 75.908,44.831 78.245,44.831 92.19,44.831 94.526,44.831 230.518,44.831 77.102,44.856 93.383,44.856 226.81,44.856 228.511,44.983 215.481,45.009 5.347,45.263 7.049,45.263 217.158,45.314 1.689,45.339 3.366,45.39 227.648,45.542 229.629,45.542 231.305,45.593 2.477,45.822 6.211,45.872 161.278,45.974 230.416,46.025 294.551,46.076 160.084,46.101 213.881,46.101 293.408,46.101 295.745,46.101 298.285,46.126 297.142,46.152 299.479,46.152 232.931,46.304 5.372,46.406 61.837,46.457 59.424,46.482 60.567,46.482 65.57,46.507 161.913,46.507 1.664,46.533 3.366,46.533 7.074,46.533 53.556,46.533 63.157,46.533 64.3,46.533 51.143,46.558 52.286,46.558 57.29,46.584 54.877,46.609 56.02,46.609 237.732,46.685 229.604,46.736 231.305,46.736 160.846,46.838 143.142,46.863 295.263,46.888 292.723,46.939 293.942,46.939 298.996,46.939 296.456,46.99 297.676,46.99 6.211,47.092 133.592,47.092 2.528,47.142 61.176,47.32 62.395,47.32 142.405,47.32 230.467,47.346 59.855,47.371 64.91,47.371 66.129,47.371 52.896,47.396 54.115,47.396 63.589,47.422 51.575,47.447 56.63,47.447 57.849,47.447 55.309,47.498 161.709,47.574 1.689,47.676 294.551,47.777 295.694,47.777 3.391,47.803 131.839,47.803 134.252,47.803 293.281,47.803 298.285,47.828 299.428,47.828 132.677,47.861 143.117,47.854 297.015,47.854 229.629,47.879 133.592,47.93 231.331,48.006 59.373,48.158 61.71,48.158 60.567,48.184 63.107,48.209 65.443,48.209 161.989,48.209 163.233,48.209 51.092,48.235 53.429,48.235 64.3,48.235 52.286,48.26 284.95,48.26 54.826,48.285 57.163,48.285 56.02,48.311 239.84,48.311 286.627,48.311 223.889,48.336 2.528,48.362 82.969,48.362 80.556,48.387 81.699,48.387 86.703,48.412 99.708,48.412 142.405,48.412 74.689,48.438 84.29,48.438 85.433,48.438 97.295,48.438 98.438,48.438 45.276,48.463 72.276,48.463 73.419,48.463 103.442,48.463 78.423,48.489 91.428,48.489 101.029,48.489 102.172,48.489 76.01,48.514 77.153,48.514 89.015,48.514 90.158,48.514 95.161,48.539 92.748,48.565 93.891,48.565 221.958,48.565 230.467,48.565 134.354,48.717 285.738,48.743 143.142,48.971 44.031,49.047 297.523,49.174 157.874,49.2 82.309,49.225 83.528,49.225 220.663,49.225 289.852,49.225 299.2,49.225 80.988,49.276 86.043,49.276 87.262,49.276 99.048,49.276 100.267,49.276 291.529,49.276 74.029,49.301 75.248,49.301 84.722,49.327 97.727,49.327 102.781,49.327 104.001,49.327 72.708,49.352 77.762,49.352 78.982,49.352 90.767,49.352 91.986,49.352 101.461,49.378 76.442,49.403 89.446,49.403 94.501,49.403 95.72,49.403 93.18,49.454 284.925,49.454 286.627,49.454 142.405,49.479 298.311,49.657 46.038,49.682 290.64,49.708 44.996,49.809 133.261,49.936 138.875,50.038 282.029,50.038 80.506,50.063 82.842,50.063 285.788,50.063 81.699,50.089 140.551,50.089 283.706,50.089 84.239,50.114 86.576,50.114 97.244,50.114 99.581,50.114 43.472,50.14 72.225,50.14 74.562,50.14 85.433,50.14 98.438,50.14 73.419,50.165 100.978,50.165 103.315,50.165 75.959,50.19 78.296,50.19 88.964,50.19 91.301,50.19 102.172,50.19 77.153,50.216 90.158,50.216 92.698,50.241 95.034,50.241 226.098,50.241 93.891,50.267 223.254,50.317 272.123,50.368 297.498,50.368 299.2,50.368 44.209,50.419 289.827,50.419 291.529,50.419 45.073,50.444 139.662,50.521 221.526,50.521 282.817,50.521 284.95,50.597 286.652,50.724 46.876,50.851 45.962,50.876 241.161,50.876 48.044,50.902 272.809,50.952 243.218,50.978 298.361,50.978 290.691,51.029 224.854,51.054 83.249,51.181 80.836,51.206 81.979,51.206 44.006,51.232 86.983,51.232 138.849,51.232 140.551,51.232 276.441,51.232 282.004,51.232 283.706,51.232 74.968,51.257 84.57,51.257 85.713,51.257 99.911,51.257 242.481,51.257 274.892,51.257 72.555,51.283 73.698,51.283 97.498,51.283 98.641,51.283 285.788,51.283 78.702,51.308 103.645,51.308 76.289,51.333 77.432,51.333 91.631,51.333 101.232,51.333 102.375,51.333 89.218,51.359 90.361,51.359 95.365,51.384 92.952,51.41 94.095,51.41 227.445,51.486 297.523,51.511 243.955,51.562 289.852,51.562 222.619,51.587 240.78,51.638 299.225,51.638 216.802,51.689 291.554,51.689 45.149,51.74 246.266,51.782 49.238,51.791 154.191,51.791 139.713,51.841 282.867,51.841 153.073,51.968 273.673,51.994 284.899,51.994 82.588,52.045 83.808,52.045 286.576,52.045 215.862,52.07 46.597,52.095 81.268,52.095 86.322,52.095 87.541,52.095 235.344,52.095 43.396,52.121 74.308,52.121 75.527,52.121 99.251,52.121 100.47,52.121 85.001,52.146 72.987,52.172 78.042,52.172 79.261,52.172 97.93,52.172 102.985,52.172 104.204,52.172 44.285,52.197 90.97,52.197 92.19,52.197 298.361,52.197 76.721,52.222 101.664,52.222 89.65,52.248 94.704,52.248 95.923,52.248 290.691,52.248 93.383,52.299 138.875,52.375 275.603,52.375 282.029,52.375 1.588,52.4 3.264,52.451 285.687,52.476 48.044,52.502 140.577,52.502 153.785,52.502 224.371,52.502 237.071,52.502 283.731,52.502 45.073,52.578 216.853,52.756 229.019,52.807 2.375,52.883 80.785,52.883 83.122,52.883 81.979,52.908 226.53,52.908 297.472,52.908 84.519,52.934 86.856,52.934 43.752,52.959 72.505,52.959 74.841,52.959 85.713,52.959 97.447,52.959 99.784,52.959 221.653,52.959 289.802,52.959 299.149,52.959 73.698,52.984 98.641,52.984 76.238,53.01 78.575,53.01 101.181,53.01 103.518,53.01 223.33,53.01 291.478,53.01 77.432,53.035 89.167,53.035 91.504,53.035 102.375,53.035 90.361,53.061 139.713,53.061 153.073,53.061 282.867,53.061 92.901,53.086 95.238,53.086 94.095,53.111 216.015,53.137 284.874,53.188 286.576,53.188 273.927,53.238 298.26,53.391 222.441,53.442 290.589,53.442 216.777,53.543 1.562,53.594 3.264,53.594 153.81,53.619 45.098,53.645 224.879,53.696 138.824,53.772 281.978,53.772 285.738,53.797 140.5,53.823 228.054,53.823 283.655,53.823 43.142,53.95 297.447,54.102 299.149,54.102 153.073,54.127 221.628,54.153 223.33,54.153 275.832,54.153 289.776,54.153 291.478,54.153 2.426,54.204 139.611,54.254 282.766,54.254 273.088,54.28 230.035,54.331 284.899,54.331 286.601,54.458 274.663,54.559 144.514,54.61 153.785,54.661 235.344,54.661 226.632,54.712 298.311,54.712 1.588,54.737 222.492,54.762 290.64,54.762 3.29,54.864 138.799,54.966 140.5,54.966 281.953,54.966 283.655,54.966 285.738,55.016 143.777,55.067 153.048,55.118 22.39,55.143 297.472,55.245 221.653,55.296 224.828,55.296 289.802,55.296 299.174,55.372 275.247,55.397 2.426,55.423 223.355,55.423 291.503,55.423 215.81,55.45 139.662,55.575 282.817,55.575 144.488,55.601 156.528,55.601 157.595,55.601 158.687,55.601 276.441,55.626 21.476,55.651 153.759,55.651 131.991,55.728 132.931,55.753 129.197,55.855 130.01,55.88 237.325,55.88 131.128,55.931 217.005,55.931 298.311,55.931 222.492,55.982 290.64,55.982 23.711,56.007 239.23,56.058 274.003,56.058 138.824,56.109 281.978,56.109 1.537,56.134 142.456,56.134 143.777,56.159 228.257,56.159 3.213,56.185 225.844,56.185 226.987,56.185 153.048,56.21 231.991,56.21 140.526,56.236 229.578,56.236 230.721,56.236 283.68,56.236 158.153,56.312 157.036,56.337 159.144,56.337 77.051,56.363 78.728,56.413 125.794,56.413 25.54,56.515 16.625,56.54 14.212,56.566 15.355,56.566 20.358,56.591 141.72,56.591 216.243,56.591 2.324,56.617 17.945,56.617 19.088,56.617 224.447,56.667 87.465,56.693 88.532,56.693 89.624,56.693 92.774,56.693 93.841,56.693 94.933,56.693 221.603,56.693 144.514,56.718 209.487,56.718 43.244,56.744 90.64,56.744 95.949,56.744 223.279,56.744 153.785,56.769 139.662,56.794 282.817,56.794 77.839,56.845 214.795,56.896 83.452,56.972 227.597,57.023 228.816,57.023 226.276,57.074 231.331,57.074 232.55,57.074 82.411,57.125 142.431,57.125 230.01,57.125 222.39,57.175 46.47,57.201 85.128,57.226 143.777,57.226 81.09,57.252 97.447,57.252 98.514,57.252 99.606,57.252 153.048,57.277 100.622,57.302 1.512,57.328 3.213,57.328 89.015,57.328 94.323,57.328 275.095,57.328 88.049,57.353 90.081,57.353 93.358,57.353 95.39,57.353 44.285,57.379 125.875,57.379 15.964,57.404 17.183,57.404 14.643,57.455 19.698,57.455 20.917,57.455 271.691,57.455 18.377,57.506 49.086,57.531 47.816,57.556 78.728,57.556 50.076,57.582 141.72,57.683 45.123,57.734 144.539,57.76 225.794,57.861 228.13,57.861 98.997,57.887 161.455,57.887 221.577,57.887 223.279,57.887 226.987,57.887 98.032,57.912 100.064,57.912 229.527,57.912 231.864,57.912 2.375,57.937 230.721,57.937 87.414,58.039 88.43,58.039 89.446,58.039 92.723,58.039 93.739,58.039 94.755,58.039 46.673,58.064 90.513,58.064 95.822,58.064 48.324,58.115 102.578,58.115 114.694,58.115 77.889,58.166 143.802,58.217 14.161,58.242 16.498,58.242 142.456,58.242 15.355,58.268 17.895,58.293 20.231,58.293 19.088,58.318 160.719,58.344 277.229,58.445 1.537,58.471 222.441,58.496 79.998,58.522 3.239,58.598 97.397,58.598 98.413,58.598 99.429,58.598 100.495,58.623 44.768,58.699 45.682,58.75 141.72,58.75 144.514,58.75 47.613,58.776 78.753,58.826 161.43,58.877 82.944,58.953 221.603,59.03 90.843,59.055 91.91,59.055 93.002,59.055 297.168,59.055 94.018,59.106 298.844,59.106 101.232,59.131 102.299,59.131 103.391,59.131 2.375,59.157 223.304,59.157 104.407,59.182 277.965,59.233 143.802,59.309 46.52,59.334 276.668,59.334 77.889,59.385 160.719,59.436 297.955,59.538 47.663,59.665 92.393,59.69 91.428,59.715 93.46,59.715 222.441,59.715 102.781,59.766 101.816,59.792 103.848,59.792 113.399,59.792 114.465,59.792 115.558,59.792 116.574,59.842 45.682,59.868 117.844,59.868 144.539,59.868 95.314,59.893 96.381,59.893 97.473,59.893 98.489,59.944 161.455,59.995 107.633,60.096 108.7,60.096 109.792,60.096 46.825,60.147 78.677,60.147 110.808,60.147 105.499,60.173 297.142,60.249 298.844,60.249 118.936,60.376 143.802,60.376 90.793,60.401 91.809,60.401 92.825,60.401 4.433,60.427 93.891,60.427 114.948,60.427 113.983,60.452 116.015,60.452 6.109,60.477 44.692,60.477 101.181,60.477 102.197,60.477 103.213,60.477 153.632,60.477 104.28,60.503 160.719,60.503 96.863,60.528 112.433,60.528 95.898,60.554 97.93,60.554 77.788,60.579 46.368,60.604 47.968,60.604 212.281,60.604 211.138,60.63 213.475,60.63 216.015,60.655 214.872,60.681 217.208,60.681 275.4,60.706 109.182,60.731 108.217,60.757 110.249,60.757 149.797,60.757 298.006,60.858 5.22,60.909 47.13,60.96 152.896,60.985 83.147,61.036 209.461,61.036 147.46,61.062 235.039,61.062 45.682,61.087 106.083,61.112 113.348,61.138 114.364,61.138 115.38,61.138 232.575,61.138 116.447,61.163 77.864,61.189 117.691,61.189 95.263,61.239 96.279,61.239 97.295,61.239 98.362,61.265 78.677,61.29 159.703,61.366 160.77,61.366 161.862,61.366 230.848,61.392 297.168,61.392 212.992,61.417 107.582,61.443 108.598,61.443 109.614,61.443 110.681,61.468 210.452,61.468 211.671,61.468 216.726,61.468 214.186,61.519 215.405,61.519 298.869,61.519 120.765,61.544 153.632,61.544 4.407,61.62 6.109,61.62 84.57,61.62 229.4,61.646 233.769,61.646 282.486,61.697 83.325,61.849 149.517,61.849 150.584,61.849 151.676,61.849 77.839,61.9 56.249,61.951 161.328,62.078 298.006,62.078 152.921,62.103 160.211,62.103 162.319,62.103 148.628,62.154 147.46,62.179 221.12,62.179 5.271,62.23 146.393,62.281 234.785,62.281 212.281,62.306 213.424,62.306 232.753,62.306 45.022,62.332 211.011,62.332 235.471,62.332 216.015,62.357 217.158,62.357 214.745,62.382 77,62.433 19.114,62.459 17.971,62.484 20.308,62.484 22.848,62.509 21.705,62.535 24.041,62.535 78.702,62.56 151.143,62.56 150.025,62.586 152.134,62.586 153.632,62.636 83.02,62.687 87.694,62.713 4.433,62.763 84.062,62.763 297.117,62.789 147.181,62.84 298.793,62.84 6.134,62.89 90.158,62.916 227.371,62.916 236.182,62.916 280.581,62.992 152.896,63.094 77.839,63.119 146.139,63.119 88.684,63.144 229.375,63.144 148.425,63.195 149.365,63.246 19.825,63.271 297.904,63.271 76.238,63.297 150.61,63.297 151.676,63.297 283.452,63.297 17.285,63.322 18.504,63.322 23.559,63.322 21.019,63.373 22.238,63.373 233.718,63.398 161.481,63.424 5.271,63.449 55.461,63.525 84.544,63.551 83.35,63.576 235.217,63.652 212.078,63.678 210.935,63.703 213.271,63.703 215.811,63.729 75.375,63.754 214.668,63.754 217.005,63.754 87.795,63.932 236.106,63.932 146.876,63.983 148.984,63.983 297.091,63.983 298.793,63.983 147.866,64.008 150.102,64.008 152.21,64.008 151.092,64.033 153.226,64.033 90.869,64.084 4.382,64.16 19.114,64.16 20.257,64.16 17.844,64.186 6.058,64.211 22.848,64.211 23.991,64.211 21.578,64.237 173.698,64.237 229.273,64.237 77.026,64.313 72.479,64.338 78.702,64.364 83.96,64.364 74.156,64.389 161.1,64.491 212.789,64.491 154.039,64.516 155.309,64.516 210.249,64.541 211.468,64.541 216.523,64.541 82.969,64.567 234.404,64.567 1.385,64.592 213.983,64.592 215.202,64.592 297.955,64.592 3.061,64.643 5.169,64.643 147.333,64.719 148.425,64.719 149.492,64.719 150.559,64.745 151.651,64.745 152.718,64.745 77.813,64.795 73.267,64.821 174.562,64.846 85.382,64.948 235.776,65.049 2.172,65.075 229.35,65.1 87.008,65.126 297.117,65.126 67.856,65.202 84.468,65.202 69.533,65.253 86.094,65.253 298.819,65.253 291.046,65.278 4.356,65.354 6.058,65.354 83.655,65.38 212.078,65.38 213.221,65.38 210.808,65.405 215.811,65.43 216.954,65.43 214.541,65.456 153.327,65.481 155.436,65.481 77,65.507 78.702,65.507 154.318,65.507 72.454,65.532 74.156,65.532 150.102,65.532 152.21,65.532 151.092,65.557 156.325,65.557 237.706,65.608 234.734,65.659 68.644,65.684 148.07,65.761 1.359,65.786 3.061,65.786 149.162,65.786 157.264,65.786 159.373,65.786 158.255,65.811 297.955,65.811 162.929,65.888 165.037,65.888 87.414,65.913 163.919,65.913 5.22,65.964 75.857,65.964 174.181,66.015 77.864,66.116 229.223,66.116 73.317,66.142 227.749,66.167 153.785,66.218 154.877,66.218 155.944,66.218 198.082,66.218 280.785,66.218 86.068,66.243 150.559,66.269 151.651,66.269 152.718,66.269 84.671,66.345 83.071,66.37 2.223,66.396 67.831,66.396 69.533,66.396 4.382,66.497 234.15,66.497 235.649,66.497 63.843,66.523 157.722,66.523 158.814,66.523 159.881,66.523 65.52,66.573 292.443,66.599 6.084,66.624 163.386,66.624 164.478,66.624 165.545,66.624 77.026,66.65 72.479,66.675 212.179,66.675 211.036,66.7 213.373,66.7 215.913,66.726 214.77,66.751 217.107,66.751 78.728,66.777 74.181,66.802 155.486,66.802 149.136,66.827 197.066,66.827 86.906,66.853 156.96,66.878 1.385,66.929 161.227,66.929 40.399,66.954 42.075,67.005 64.631,67.005 68.695,67.005 162.319,67.031 3.086,67.056 173.647,67.107 5.22,67.183 84.011,67.208 85.789,67.234 77.864,67.335 73.317,67.361 55.436,67.386 41.186,67.437 31.966,67.462 198.336,67.462 212.89,67.488 67.856,67.539 210.35,67.539 211.57,67.539 216.624,67.539 214.084,67.589 215.303,67.589 2.223,67.615 28.334,67.64 69.558,67.666 57.823,67.691 63.818,67.716 65.52,67.716 25.972,67.742 6.211,68.021 76.975,68.047 7.887,68.072 72.428,68.072 87.237,68.072 74.537,68.097 78.651,68.097 82.969,68.097 74.105,68.123 40.374,68.148 42.075,68.148 76.213,68.148 85.205,68.174 291.275,68.199 68.695,68.224 197.523,68.25 1.334,68.326 64.681,68.326 86.449,68.326 3.01,68.377 212.179,68.377 213.322,68.377 55.512,68.402 210.909,68.402 215.913,68.428 217.056,68.428 214.643,68.453 6.998,68.504 32.246,68.529 77.762,68.529 28.258,68.555 73.216,68.555 75.324,68.58 83.909,68.631 13.704,68.732 292.9,68.732 41.237,68.758 297.041,68.783 2.121,68.809 22.898,68.834 298.717,68.834 63.843,68.859 57.874,68.936 67.806,68.936 65.545,68.986 69.482,68.986 198.641,68.986 24.397,69.012 234.303,69.19 6.185,69.215 7.887,69.215 76.95,69.24 78.651,69.24 72.403,69.266 74.105,69.266 297.828,69.266 40.399,69.291 74.511,69.291 76.213,69.291 86.906,69.291 82.944,69.367 85.433,69.393 25.896,69.418 42.101,69.418 68.593,69.418 31.992,69.444 17.133,69.494 1.308,69.52 3.01,69.52 243.142,69.52 64.681,69.545 240.957,69.596 235.954,69.672 12.764,69.748 55.487,69.774 7.049,69.825 92.494,69.825 77.813,69.85 93.409,69.85 73.267,69.875 83.782,69.875 75.375,69.901 41.237,69.977 297.015,69.977 298.717,69.977 18.377,70.028 2.172,70.129 28.182,70.129 67.78,70.129 69.482,70.129 87.389,70.129 85.967,70.155 23.203,70.256 63.792,70.256 84.849,70.256 65.469,70.307 19.8,70.333 24.702,70.333 57.874,70.333 6.211,70.358 292.951,70.358 76.975,70.383 72.428,70.409 74.537,70.434 93.079,70.434 93.917,70.434 7.912,70.485 78.677,70.51 74.13,70.536 76.238,70.561 288.227,70.587 297.879,70.587 1.334,70.663 40.348,70.688 289.979,70.714 42.025,70.739 64.58,70.739 68.644,70.739 32.093,70.764 3.036,70.79 82.919,70.79 86.83,70.841 235.268,70.841 241.161,70.968 7.049,71.044 77.813,71.069 73.267,71.095 75.375,71.12 297.041,71.12 41.136,71.171 236.741,71.171 12.942,71.222 83.782,71.222 91.25,71.222 242.862,71.222 23.61,71.247 298.742,71.247 67.806,71.272 85.789,71.272 84.976,71.298 2.172,71.349 69.507,71.399 63.767,71.45 65.469,71.45 22.797,71.704 237.909,71.73 6.16,71.755 208.471,71.755 86.906,71.78 207.328,71.78 209.665,71.78 7.836,71.806 212.205,71.806 297.879,71.806 74.486,71.831 211.062,71.831 213.398,71.831 40.323,71.882 42.025,71.882 76.162,71.882 292.773,71.882 83.02,71.907 68.644,71.958 77.026,72.009 239.738,72.034 64.631,72.06 78.702,72.06 235.293,72.085 240.83,72.113 91.885,72.187 6.947,72.238 75.273,72.314 241.796,72.314 85.967,72.339 236.893,72.39 66.737,72.466 41.186,72.492 77.813,72.492 83.833,72.492 296.99,72.517 209.182,72.568 298.666,72.568 63.792,72.593 2.02,72.619 206.642,72.619 207.861,72.619 212.916,72.619 3.696,72.669 210.376,72.669 211.595,72.669 238.646,72.669 13.373,72.695 49.035,72.695 65.494,72.72 287.897,72.771 87.516,72.822 6.134,72.949 7.836,72.949 92.545,72.974 84.976,73 297.777,73 40.348,73.025 74.46,73.025 76.162,73.025 2.807,73.101 240.221,73.101 242.481,73.101 91.25,73.127 42.05,73.152 67.575,73.152 93.51,73.152 77,73.203 78.702,73.203 94.806,73.203 96.177,73.228 100.851,73.228 102.68,73.228 103.823,73.228 82.944,73.254 99.225,73.254 64.631,73.279 86.246,73.279 97.676,73.304 237.859,73.381 208.471,73.457 209.614,73.457 207.201,73.482 235.801,73.482 212.205,73.508 213.348,73.508 292.951,73.508 210.935,73.533 6.998,73.558 50.178,73.635 75.324,73.635 66.737,73.685 41.186,73.711 296.964,73.711 298.666,73.711 17.31,73.787 87.033,73.787 239.281,73.787 241.516,73.787 1.994,73.812 3.696,73.812 77.864,73.812 236.995,73.812 6.16,74.092 85.89,74.092 74.486,74.168 7.862,74.219 83.985,74.219 287.998,74.219 65.899,74.295 67.6,74.295 76.188,74.295 297.828,74.32 77.026,74.346 82.944,74.371 2.858,74.422 78.728,74.473 228.384,74.524 68.568,74.549 224.27,74.549 18.123,74.574 70.244,74.6 114.999,74.6 242.659,74.625 255.202,74.625 237.579,74.651 240.526,74.701 85.001,74.727 6.998,74.778 177.076,74.828 75.324,74.854 296.99,74.854 2.02,74.955 40.551,74.981 298.692,74.981 66.788,75.006 69.355,75.032 77.864,75.032 3.721,75.082 85.713,75.108 87.033,75.235 83.147,75.286 84.189,75.286 114.237,75.362 65.899,75.438 67.575,75.489 255.202,75.489 297.828,75.54 2.858,75.641 68.542,75.743 70.244,75.743 76.975,75.743 115.126,75.743 78.651,75.794 85.306,75.794 113.322,75.87 40.958,75.895 63.056,75.971 125.464,76.073 127.191,76.098 66.686,76.2 77.762,76.225 83.096,76.225 157.061,76.225 155.918,76.251 158.255,76.251 160.795,76.276 176.949,76.276 148.781,76.302 159.652,76.302 147.638,76.327 149.975,76.327 1.969,76.352 69.406,76.352 152.515,76.352 151.372,76.378 153.708,76.378 255.202,76.378 3.645,76.403 18.352,76.429 25.469,76.429 84.163,76.53 40.628,76.683 88.43,76.683 265.265,76.683 90.107,76.733 65.822,76.759 206.49,76.759 296.355,76.759 205.347,76.784 207.683,76.784 210.223,76.81 266.205,76.81 298.031,76.81 2.756,76.835 209.08,76.835 211.417,76.835 117.285,76.86 67.524,76.886 68.568,76.886 76.95,76.937 78.651,76.937 115.253,76.937 70.269,77.013 110.935,77.038 157.772,77.038 6.084,77.064 155.232,77.089 156.452,77.089 161.506,77.089 149.492,77.114 17.463,77.14 158.966,77.14 160.185,77.14 271.818,77.14 89.218,77.165 146.952,77.165 148.171,77.165 153.226,77.165